# KiCad board AMC_FMC_Carrier-PcbDoc.kicad_pcb (continued)
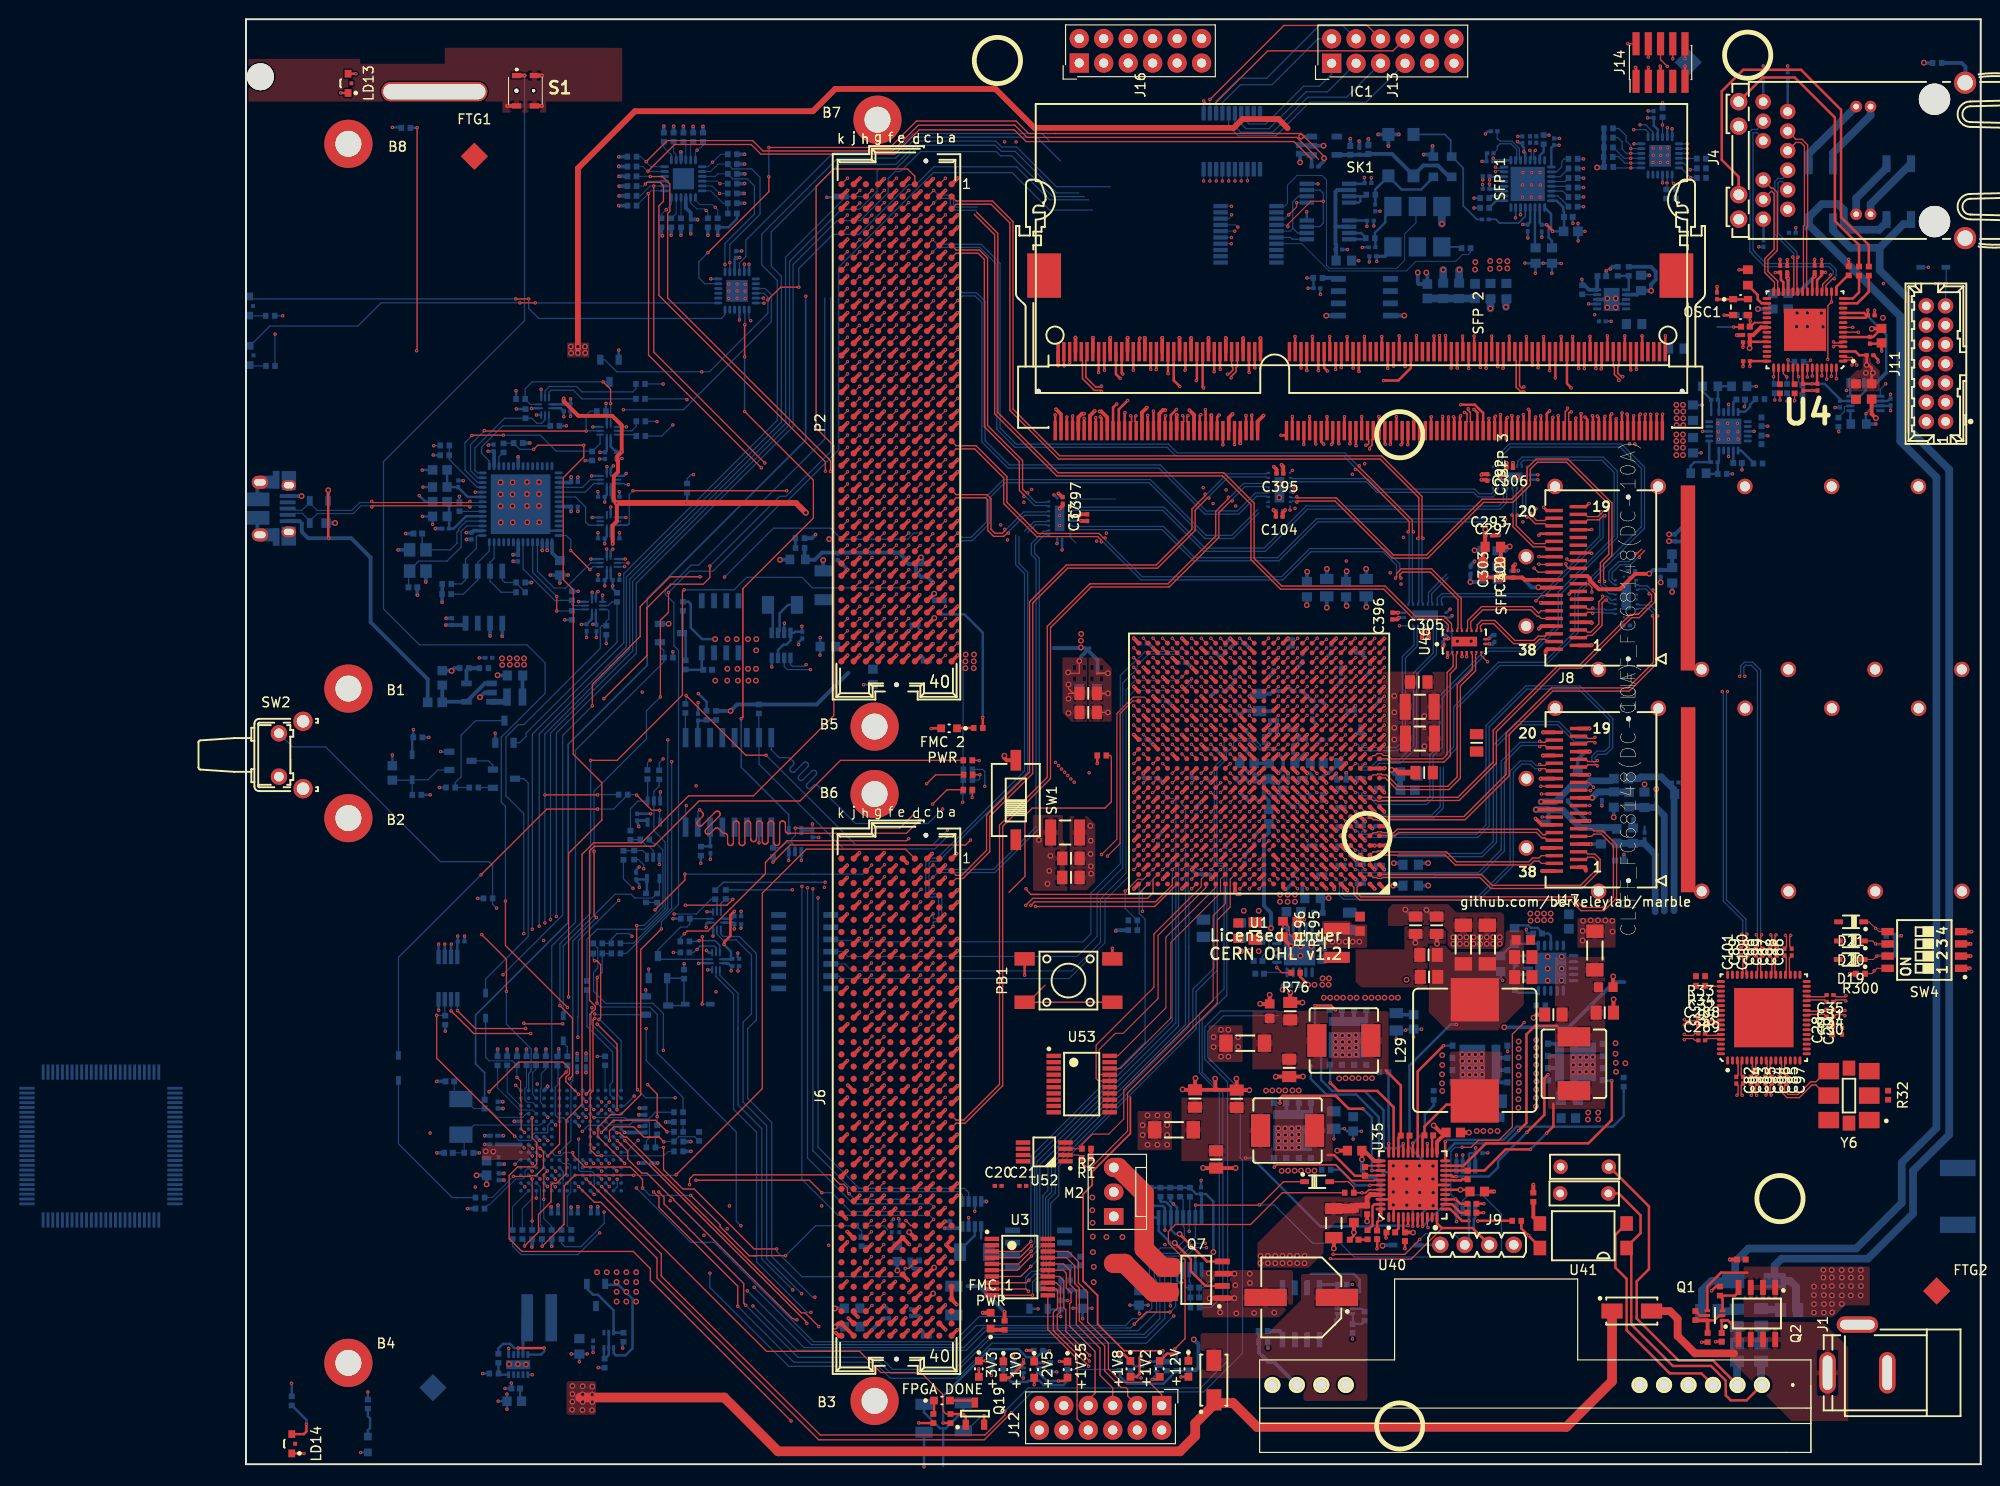
[diagram p0: board, top side]
## Placement (name value [footprint] x y rotation side) (continued)
C261  CC0201_470NF_4V_20%_X5R  [CAPC0603X33N]  109.62 83.73 270 bottom
C262  CC0201_470NF_4V_20%_X5R  [CAPC0603X33N]  93.12 75.23 0 bottom
C263  CC0201_470NF_4V_20%_X5R  [CAPC0603X33N]  111.11 79.24 180 bottom
C264  CC0201_470NF_4V_20%_X5R  [CAPC0603X33N]  111.12 71.23 0 bottom
C265  CC1210_100UF_6.3V_20%_X5R  [CAPC3225X270N]  121.78 78.63 0 top
C266  CC1210_100UF_6.3V_20%_X5R  [CAPC3225X270N]  121.81 75.33 0 top
C267  CC0201_470NF_4V_20%_X5R  [CAPC0603X33N]  110.12 69.23 180 bottom
C268  CC0805_4.7UF_10V_10%_X5R  [CAPC2012X135N]  121.35 55.94 270 bottom
C269  CC0201_470NF_4V_20%_X5R  [CAPC0603X33N]  109.12 68.23 180 bottom
C270  CC0805_4.7UF_10V_10%_X5R  [CAPC2012X135N]  123.54 55.94 270 bottom
C271  CC0201_470NF_4V_20%_X5R  [CAPC0603X33N]  104.12 74.23 0 bottom
C272  CC0805_4.7UF_10V_10%_X5R  [CAPC2012X135N]  123.54 55.95 270 top
C273  CC0201_470NF_4V_20%_X5R  [CAPC0603X33N]  103.12 71.23 180 bottom
C274  CC0805_4.7UF_10V_10%_X5R  [CAPC2012X135N]  114.53 56.35 270 bottom
C275  CC0201_470NF_4V_20%_X5R  [CAPC0603X33N]  104.12 69.23 0 bottom
C276  CC0805_4.7UF_10V_10%_X5R  [CAPC2012X135N]  121.69 81.19 0 top
C277  CC0201_470NF_4V_20%_X5R  [CAPC0603X33N]  107.12 69.23 0 bottom
C278  CC0805_4.7UF_10V_10%_X5R  [CAPC2012X135N]  121.36 55.95 270 top
C279  CC0201_470NF_4V_20%_X5R  [CAPC0603X33N]  104.12 76.23 0 bottom
C280  CC0603_22UF_6.3V_20%_X5R  [CAPC1709X100N]  114.15 90.84 90 bottom
C281  CC0603_22UF_6.3V_20%_X5R  [CAPC1709X100N]  102.97 55.38 270 top
C282  CC0603_22UF_6.3V_20%_X5R  [CAPC1709X100N]  110.08 90.84 90 bottom
C283  CC0603_22UF_6.3V_20%_X5R  [CAPC1709X100N]  103.25 55.39 270 bottom
C284  CC0805_4.7UF_10V_10%_X5R  [CAPC2012X135N]  116.23 90.99 90 bottom
C285  CC0805_4.7UF_10V_10%_X5R  [CAPC2012X135N]  105.08 55.34 270 bottom
C286  CC0805_4.7UF_10V_10%_X5R  [CAPC2012X135N]  112.14 90.99 90 bottom
C287  CC0805_4.7UF_10V_10%_X5R  [CAPC2012X135N]  104.73 55.36 270 top
C288  CC0201_100NF_6.3V_10%_X5R  [CAPC0603X33N]  151.04 45.51 0 top
C289  CC0201_100NF_6.3V_10%_X5R  [CAPC0603X33N]  151.05 43.99 0 top
C290  CC0201_100NF_6.3V_10%_X5R  [CAPC0603X33N]  143.25 87.06 180 bottom
C291  CC0201_100NF_6.3V_10%_X5R  [CAPC0603X33N]  124.23 85.68 90 bottom
C292  CC0201_100NF_6.3V_10%_X5R  [CAPC0603X33N]  128.8 102.43 270 top
C293  CC0201_100NF_6.3V_10%_X5R  [CAPC0603X33N]  128.94 96.42 0 top
C294  CC0201_100NF_6.3V_10%_X5R  [CAPC0603X33N]  127.07 92.78 90 bottom
C295  CC0201_100NF_6.3V_10%_X5R  [CAPC0603X33N]  148.28 96.18 90 bottom
C296  CC0603_22UF_6.3V_20%_X5R  [CAPC1709X100N]  128.31 94.07 90 bottom
C297  CC0603_22UF_6.3V_20%_X5R  [CAPC1709X100N]  129.37 95.23 0 top
C298  CC0603_22UF_6.3V_20%_X5R  [CAPC1709X100N]  149.44 96.59 90 bottom
C299  CC0201_100NF_6.3V_10%_X5R  [CAPC0603X33N]  146.79 92.48 270 bottom
C300  CC0201_100NF_6.3V_10%_X5R  [CAPC0603X33N]  131.51 92.4 90 top
C301  CC0201_100NF_6.3V_10%_X5R  [CAPC0603X33N]  131.3 92.38 90 bottom
C302  CC0603_22UF_6.3V_20%_X5R  [CAPC1709X100N]  147.99 92.28 270 bottom
C303  CC0603_22UF_6.3V_20%_X5R  [CAPC1709X100N]  130.21 92.87 90 top
C304  CC0603_22UF_6.3V_20%_X5R  [CAPC1709X100N]  129.86 94.02 90 bottom
C305  CC0201_100NF_6.3V_10%_X5R  [CAPC0603X33N]  122.37 85.77 0 top
C306  CC0201_100NF_6.3V_10%_X5R  [CAPC0603X33N]  131.11 103.42 180 top
C330  CC0805_47UF_6.3V_20%_X5R  [CAPC2012X140N]  135.66 46.68 180 top
C331  CC0603_4.7UF_16V_10%_X5R  [CAPC1709X95N]  137.21 35.93 0 bottom
C332  CC0201_470NF_4V_20%_X5R  [CAPC0603X33N]  116.62 82.73 270 bottom
C333  CC0201_470NF_4V_20%_X5R  [CAPC0603X33N]  104.62 64.73 270 bottom
C334  CC0201_470NF_4V_20%_X5R  [CAPC0603X33N]  112.62 84.73 270 bottom
C335  CC0201_470NF_4V_20%_X5R  [CAPC0603X33N]  103.62 62.73 90 bottom
C336  CC0201_470NF_4V_20%_X5R  [CAPC0603X33N]  113.62 81.73 270 bottom
C337  CC0201_470NF_4V_20%_X5R  [CAPC0603X33N]  111.62 61.23 0 bottom
C338  CC0201_470NF_4V_20%_X5R  [CAPC0603X33N]  117.62 79.73 270 bottom
C339  CC0201_470NF_4V_20%_X5R  [CAPC0603X33N]  110.62 64.23 0 bottom
C340  CC0805_47UF_6.3V_20%_X5R  [CAPC2012X140N]  122.76 50.59 180 top
C341  CC0805_47UF_6.3V_20%_X5R  [CAPC2012X140N]  122.7 52.87 180 top
C342  CC0201_100NF_6.3V_10%_X5R  [CAPC0603X33N]  50.84 125.58 90 bottom
C343  CC0603_4.7UF_16V_10%_X5R  [CAPC1709X95N]  92.67 17.26 270 bottom
C344  CC0603_4.7UF_16V_10%_X5R  [CAPC1709X95N]  86.79 16.93 270 bottom
C345  CC0805_47UF_6.3V_20%_X5R  [CAPC2012X140N]  132.53 50.56 0 top
C346  CC0805_47UF_6.3V_20%_X5R  [CAPC2012X140N]  102.79 37.94 90 top
C347  CC0603_4.7UF_16V_10%_X5R  [CAPC1709X95N]  106.22 47.03 90 top
C348  CC0603_4.7UF_16V_10%_X5R  [CAPC1709X95N]  141.09 49.52 0 top
C349  CC0603_4.7UF_16V_10%_X5R  [CAPC1709X95N]  132.53 54.42 0 top
C350  CAE830-1020_470UF_16V_20%  [CAPAE830X1020N]  109.5 17.31 180 top
C351  CC0201_100NF_6.3V_10%_X5R  [CAPC0603X33N]  57.73 86.07 270 bottom
C352  CC0201_100NF_6.3V_10%_X5R  [CAPC0603X33N]  157.46 126.72 270 bottom
C353  CPER_4.7NF_400V_5%_500-250X720X650  [CAPR500-250X720X650]  138.86 28.11 180 top
C354  CPER_4.7NF_400V_5%_500-250X720X650  [CAPR500-250X720X650]  138.91 30.88 180 top
C355  CC0201_100NF_6.3V_10%_X5R  [CAPC0603X33N]  36.88 96.1 180 bottom
C356  CC0201_100NF_6.3V_10%_X5R  [CAPC0603X33N]  38.4 96.1 0 bottom
C358  CC0201_100NF_6.3V_10%_X5R  [CAPC0603X33N]  40.59 67.17 90 bottom
C359  CC0201_100NF_6.3V_10%_X5R  [CAPC0603X33N]  40.48 61.05 90 bottom
C360  CC0603_4.7UF_16V_10%_X5R  [CAPC1709X95N]  15.19 71.76 90 bottom
C361  CC0603_4.7UF_16V_10%_X5R  [CAPC1709X95N]  125.27 34.43 0 top
C362  CC0402_100NF_16V_10%_X5R  [CAPC1005X55N]  117.37 23.82 270 top
C363  CC0402_100NF_16V_10%_X5R  [CAPC1005X55N]  114.98 23.31 180 top
C374  CC0402_100PF_50V_5%_C0G  [CAPC1005X55N]  155.58 118.09 180 top
C375  CC0402_100PF_50V_5%_C0G  [CAPC1005X55N]  155.13 119.26 180 bottom
C380  CC0201_470NF_4V_20%_X5R  [CAPC0603X33N]  115.62 71.23 180 bottom
C381  CC0201_470NF_4V_20%_X5R  [CAPC0603X33N]  113.62 70.23 0 bottom
C382  CC0402_1UF_16V_10%_X5R  [CAPC1005X55N]  142.52 62.68 0 bottom
C383  CC0402_1UF_16V_10%_X5R  [CAPC1005X55N]  111.28 57.24 0 bottom
C384  CC0603_22UF_6.3V_20%_X5R  [CAPC1709X100N]  112.57 72.79 0 bottom
C385  CC0603_22UF_6.3V_20%_X5R  [CAPC1709X100N]  109.63 72.81 180 bottom
C386  CC0805_4.7UF_10V_10%_X5R  [CAPC2012X135N]  99.35 55.63 270 bottom
C387  CC0201_470NF_4V_20%_X5R  [CAPC0603X33N]  100.12 84.23 0 bottom
C388  CC0201_470NF_4V_20%_X5R  [CAPC0603X33N]  101.64 84.74 270 bottom
C389  CC0201_470NF_4V_20%_X5R  [CAPC0603X33N]  102.62 81.73 270 bottom
C390  CC0201_470NF_4V_20%_X5R  [CAPC0603X33N]  102.27 78.23 0 bottom
C391  CC0201_470NF_4V_20%_X5R  [CAPC0603X33N]  115.62 76.23 270 bottom
C392  CC0201_470NF_4V_20%_X5R  [CAPC0603X33N]  108.62 60.73 90 bottom
C393  CC0402_1NF_50V_10%_X7R  [CAPC1005X55N]  131.74 52.31 270 bottom
C394  CC0402_1NF_50V_10%_X7R  [CAPC1005X55N]  105.02 52.25 180 bottom
C395  CC0201_100NF_6.3V_10%_X5R  [CAPC0603X33N]  107.29 102.84 180 top
C396  CC0201_100NF_6.3V_10%_X5R  [CAPC0603X33N]  118.95 88.05 90 top
C397  CC0201_100NF_6.3V_10%_X5R  [CAPC0603X33N]  84.74 100.05 270 top
C398  CC0201_100NF_6.3V_10%_X5R  [CAPC0603X33N]  146.32 68.97 90 bottom
C399  CC0201_100NF_6.3V_10%_X5R  [CAPC0603X33N]  148.29 70.76 0 bottom
C400  CC0201_100NF_6.3V_10%_X5R  [CAPC0603X33N]  145.12 65.21 90 bottom
C401  CC0603_22UF_6.3V_20%_X5R  [CAPC1709X100N]  145.1 68.97 90 bottom
C402  CC0603_22UF_6.3V_20%_X5R  [CAPC1709X100N]  149.05 69.57 0 bottom
C403  CC0603_22UF_6.3V_20%_X5R  [CAPC1709X100N]  143.92 65.25 90 bottom
C404  CC0201_100NF_6.3V_10%_X5R  [CAPC0603X33N]  140.68 69.3 270 bottom
C405  CC0201_100NF_6.3V_10%_X5R  [CAPC0603X33N]  136.82 68.91 0 bottom
C406  CC0201_100NF_6.3V_10%_X5R  [CAPC0603X33N]  135.16 67.09 270 bottom
C407  CC0603_22UF_6.3V_20%_X5R  [CAPC1709X100N]  141.93 69 270 bottom
C408  CC0603_22UF_6.3V_20%_X5R  [CAPC1709X100N]  138.18 71.12 90 bottom
C409  CC0603_22UF_6.3V_20%_X5R  [CAPC1709X100N]  140.59 65.19 270 bottom
D2  BAT165  [SOD2512X110N]  111.15 29.33 0 top
D3  BAT165  [SOD2512X110N]  24.86 47.62 270 bottom
D4  SS16  [DIOM5127X229N]  143.79 15.9 0 top
D5  BAT165  [SOD2512X110N]  120.32 22.75 0 bottom
D6  MB210S-TP  [SOIC254P665X290-4N]  163.41 131.88 270 bottom
D7  MB210S-TP  [SOIC254P665X290-4N]  171.49 132.11 270 bottom
D8  SMAJ58A  [DIOM5226X262N]  156.46 19.04 180 bottom
D12  SS16  [DIOM5127X229N]  100.43 8.73 90 top
D13  PRTR5V0U2X  [SOT190P230X110-4N]  7.57 98.85 90 bottom
D14  BAT165  [SOD2512X110N]  46.89 47.76 180 bottom
D15  BAT165  [SOD2512X110N]  175.08 124.25 180 bottom
D16  BAT165  [SOD2512X110N]  17.24 72.36 270 bottom
D17  BAT165  [SOD2512X110N]  15.82 41.14 270 bottom
D18  BAT165  [SOD2512X110N]  32.92 45.25 270 bottom
D19  BAT165  [SOD2512X110N]  166.5 52.39 180 top
D20  BAT165  [SOD2512X110N]  166.53 54.32 180 top
D21  BAT165  [SOD2512X110N]  166.55 56.3 180 top
FTG1  FIDUCIAL_TARGET_C100-200  [FIDUCIAL_TOP_S200-400]  23.7 135.78 0 top
FTG2  FIDUCIAL_TARGET_C100-200  [FIDUCIAL_TOP_S200-400]  175.42 17.98 0 top
FTG3  FIDUCIAL_TARGET_C100-200  [FIDUCIAL_BOT_S200-400]  19.4 7.94 0 top
FTG4  Pads:FIDUCIAL_BOT_S200-400  [FIDUCIAL_BOT_S200-400]  149.65 145.54 0 top
IC1  MT8JTF12864HZ-1G6G1  [SODIMM60P6760X3000X380-204]  115.75 110.4 0 top
J1  -  [CLIFF_FC68148(DC-10A)]  170.3 9.49 90 top
J1#2  CLIFF_FC68148(DC-10A)  [QSFPK-PF-02]  143.45 68.97 90 top
J1#3  CLIFF_FC68148(DC-10A)  [QSFPK-PF-02]  143.43 92 90 top
J4  BELFUSE_0826-1X1T-HS-F  [BELFUSE_0826-1X1T-80-F]  158.7 135.35 270 top
J6  -  [SAMTEC_ASP-134486-01]  67.5 38.1 90 top
J8  -  [SAMTEC_QSFP8-038-01-L-D-RA1]  136.99 92 180 top
J9  2057-PH1-04-UA-ND  [SAMTEC_MTLW-104-07-L-S-250]  123.92 22.77 0 top
J10  10103594-0001LF  [USB_Micro-B_Amphenol_10103594-0001LF_Horizontal]  2.56 99.23 90 bottom
J11  -  [MOLEX_87831-1420]  175.35 114.24 90 top
J12  PPTC062LJBN-RC  [SDL-112-X-XX_2x06]  95.02 6.09 270 top
J13  PPTC062LJBN-RC  [SDL-112-X-XX_2x06]  112.65 145.43 90 top
J14  GRPB052VWQP-RC  [PinHeader_2x05_P1.27mm_Vertical_SMD]  146.78 145.51 90 top
J16  PPTC062LJBN-RC  [SDL-112-X-XX_2x06]  86.46 145.46 90 top
J17  -  [SAMTEC_QSFP8-038-01-L-D-RA1]  137.01 68.97 180 top
L1  IND0603_MURATA_BLM18SG121TN1D  [INDC1608X65N]  148.71 94.48 180 bottom
L2  IND0603_MURATA_BLM18SG121TN1D  [INDC1608X65N]  128.37 92.89 270 top
L3  IND0603_MURATA_BLM18SG121TN1D  [INDC1608X95N]  167.05 111.35 90 top
L4  IND0603_MURATA_BLM18SG121TN1D  [INDC1608X95N]  158.43 120.72 90 bottom
L5  IND0603_MURATA_BLM18SG121TN1D  [INDC1608X65N]  129.11 91.89 0 bottom
L9  IND0603_MURATA_BLM18SG121TN1D  [INDC1608X65N]  24.97 30.75 90 bottom
L10  IND0603_MURATA_BLM18SG121TN1D  [INDC1608X65N]  19.61 79.09 0 bottom
L11  IND0603_MURATA_BLM18SG121TN1D  [INDC1608X65N]  122.58 121.76 270 bottom
L12  IND0603_MURATA_BLM18SG121TN1D  [INDC1608X65N]  127.53 121.78 90 bottom
L13  IND_10UH_20%_TDK_VLCF5020-1  [IND_TDK_VLCF5020-1]  30.43 15.21 0 bottom
L14  IND1806_MURATA_BLM41PG600SN1L  [INDC4516X180N]  128.8 53.94 90 top
L15  IND0603_MURATA_BLM18SG121TN1D  [INDC1608X65N]  120.54 69.97 180 bottom
L16  IND0603_MURATA_BLM18SG121TN1D  [INDC1608X65N]  137.27 56.33 90 bottom
L17  IND_2.2UH_20%_BOURNS_SRP6540  [IND_BOURNS_SRP6540]  108.07 34.64 180 top
L18  IND_2.2UH_20%_BOURNS_SRP6540  [IND_BOURNS_SRP6540]  113.92 43.98 180 top
L20  IND_2.2UH_20%_BOURNS_SRP6540  [IND_BOURNS_SRP6540]  137.79 41.57 90 top
L21  IND1806_MURATA_BLM41PG600SN1L  [INDC4516X180N]  96.29 34.71 180 top
L22  IND1806_MURATA_BLM41PG600SN1L  [INDC4516X180N]  103.68 43.7 180 top
L23  IND_2.2UH_20%_WURTH_WE-PMCI_74479276222C  [IND_WURTH_WE-PMCI_0806LR]  27.89 79.64 0 bottom
L24  IND0603_MURATA_BLM18SG121TN1D  [INDC1608X65N]  20.11 99.91 0 bottom
L25  IND0603_MURATA_BLM18SG121TN1D  [INDC1608X65N]  20.11 103.22 0 bottom
L26  IND0603_MURATA_BLM18SG121TN1D  [INDC1608X65N]  137.47 127.98 0 bottom
L27  IND0603_MURATA_BLM18SG121TN1D  [INDC1608X65N]  106.12 67.22 90 bottom
L28  IND0603_MURATA_BLM18SG121TN1D  [INDC1608X65N]  103.86 72.76 0 bottom
L29  IND_1.3UH_20%_WURTH_WE-HCI_7443551130  [IND_WURTH_WE-HCI_1365]  127.51 42.97 90 top
L30  IND0603_MURATA_BLM18SG121TN1D  [INDC1608X65N]  143.52 69 90 bottom
L31  IND1806_MURATA_BLM41PG600SN1L  [INDC4516X180N]  139.96 53.33 90 top
L32  IND1806_MURATA_BLM41PG600SN1L  [INDC4516X180N]  126.31 53.94 90 top
L33  IND0603_MURATA_BLM18SG121TN1D  [INDC1608X65N]  115.6 56.1 270 top
L34  IND0603_MURATA_BLM18SG121TN1D  [INDC1608X65N]  108.71 57.34 180 bottom
L35  1k@100MHz  [INDC2012X145N]  160.14 15.99 180 bottom
L36  1k@100MHz  [INDC2012X145N]  151.84 15.92 0 bottom
L37  1k@100MHz  [INDC2012X145N]  157.22 15.23 270 bottom
L38  1k@100MHz  [INDC2012X145N]  154.68 15.21 270 bottom
L39  1k@100MHz  [INDC2012X145N]  157.22 11.6 270 bottom
L40  1k@100MHz  [INDC2012X145N]  154.71 11.6 270 bottom
L43  IND0603_MURATA_BLM18SG121TN1D  [INDC1608X65N]  142.69 71.17 180 bottom
L44  IND0603_MURATA_BLM18SG121TN1D  [INDC1608X65N]  142.23 65.2 90 bottom
LD1  -  [LED_KINGBRIGHT_KPH-1608CGCK]  77.26 14.9 90 top
LD2  -  [LED_KINGBRIGHT_KPH-1608CGCK]  72.96 76.39 180 top
LD3  -  [LED_KINGBRIGHT_KPH-1608CGCK]  72.22 6.61 0 top
LD4  -  [LED_KINGBRIGHT_KPH-1608CGCK]  76.04 9.9 270 top
LD5  -  [LED_KINGBRIGHT_KPH-1608CGCK]  78.58 9.82 270 top
LD6  -  [LED_KINGBRIGHT_KPH-1608CGCK]  81.79 9.82 270 top
LD7  -  [LED_KINGBRIGHT_KPH-1608CGCK]  85.24 9.82 270 top
LD8  -  [LED_KINGBRIGHT_KPH-1608CGCK]  91.77 9.9 270 top
LD9  -  [LED_KINGBRIGHT_KPH-1608CGCK]  94.82 9.9 270 top
LD10  -  [LED_KINGBRIGHT_KPH-1608CGCK]  97.79 9.9 270 top
LD11  -  [LED_AVAGO_HSMC-C120]  0.43 115.1 270 bottom
LD12  -  [LED_AVAGO_HSMC-C120]  0.38 120.23 270 bottom
LD13  -  [LED_AVAGO_HSMC-C120]  10.59 143.35 90 top
LD14  -  [LED_AVAGO_HSMC-C120]  4.75 2.12 90 top
LD15  -  [LED_KINGBRIGHT_KPH-1608CGCK]  12.65 2.05 270 bottom
M2  Fan_3pin  [Fan_Pin_Header_Straight_1x03]  90.04 25.72 180 top
OSC1  25MHz  [OSC_MICREL_2520]  155.08 120.12 0 top
P2  -  [SAMTEC_ASP-134486-01]  67.5 108.11 90 top
PB1  -  [PB_TYCO_FSM2JSMA]  85.34 50.21 90 top
Q1  BC857BV  [SOTFL50P160X60-6N]  152.42 15.43 180 top
Q2  SI4425DDY-T1-GE3  [SOIC127P600X175-8N]  156.77 15.65 270 top
Q4  SI4425DDY-T1-GE3  [SOIC127P600X175-8N]  109.47 15.61 270 bottom
Q5  BSS139  [SOT95P240X110-3N]  42.66 47.62 0 bottom
Q6  BSS139  [SOT95P240X110-3N]  37.72 113.5 270 bottom
Q7  STS8DN6LF6AG  [SOIC127P600X175-8N]  98.6 19.14 180 top
Q8  BSS138LT1G  [SOT95P240X110-3N]  82.24 17.29 90 bottom
Q9  BSS138LT1G  [SOT95P240X110-3N]  44.09 86.27 0 bottom
Q10  FDMS7608S  [FAIRCHILD_MLP08P]  108.58 34.64 270 bottom
Q11  FDMS7608S  [FAIRCHILD_MLP08P]  114.35 44.31 270 bottom
Q12  FDMS7608S  [FAIRCHILD_MLP08P]  128.04 41.54 180 bottom
Q13  FDMS7608S  [FAIRCHILD_MLP08P]  137.94 41.75 0 bottom
Q14  BSS139  [SOT95P240X110-3N]  26.77 71.16 0 bottom
Q15  BC857BV  [SOTFL50P160X60-6N]  37.64 12.87 270 bottom
Q16  SI4425DDY-T1-GE3  [SOIC127P600X175-8N]  82.24 22.37 180 bottom
Q17  BSS139  [SOT95P240X110-3N]  42.75 51.6 90 bottom
Q18  BSS139  [SOT95P240X110-3N]  22.25 73.02 0 bottom
Q19  BSS139  [SOT95P240X110-3N]  75.64 5.25 90 top
Q22  BC857BV  [SOTFL50P160X60-6N]  114.04 16.12 0 bottom
Q23  SI4425DDY-T1-GE3  [SOIC127P600X175-8N]  49.2 86.93 90 bottom
Q24  BSS139  [SOT95P240X110-3N]  26.82 76.04 90 bottom
Q25  Si2315BDS-T1-E3  [SOT95P237X112-3N]  36.32 17.57 270 bottom
Q26  BC847BV  [SOTFL50P160X60-6N]  81.43 10 180 bottom
Q27  BC847BV  [SOTFL50P160X60-6N]  93.7 10.15 180 bottom
R1  R0402_2K2_1%_0.0625W_100PPM  [RESC1005X40N]  87.2 31.77 180 top
R2  R0402_2K2_1%_0.0625W_100PPM  [RESC1005X40N]  87.21 32.76 180 top
R29  R0402_10K_1%_0.0625W_100PPM  [RESC1005X40N]  138.65 121.93 270 bottom
R30  R0402_10K_1%_0.0625W_100PPM  [RESC1005X40N]  142.33 123.83 90 bottom
R31  R0402_10K_1%_0.0625W_100PPM  [RESC1005X40N]  143.48 123.83 90 bottom
R32  R0402_10K_1%_0.0625W_100PPM  [RESC1005X40N]  170.39 38.31 270 top
R33  R0402_0R_JUMPER  [RESC1005X40N]  150.93 50.66 180 top
R34  R0402_0R_JUMPER  [RESC1005X40N]  150.93 49.66 180 top
R35  R0402_4K7_1%_0.0625W_100PPM  [RESC1005X40N]  141.37 138.67 0 bottom
R36  R0402_4K7_1%_0.0625W_100PPM  [RESC1005X40N]  141.37 137.71 0 bottom
R37  R0402_4K7_1%_0.0625W_100PPM  [RESC1005X40N]  141.37 136.69 180 bottom
R38  R0402_4K7_1%_0.0625W_100PPM  [RESC1005X40N]  141.35 135.7 180 bottom
R39  R0402_2K2_1%_0.0625W_100PPM  [RESC1005X40N]  48.94 128.87 90 bottom
R40  R0402_2K2_1%_0.0625W_100PPM  [RESC1005X40N]  47.93 128.87 90 bottom
R41  R0402_2K2_1%_0.0625W_100PPM  [RESC1005X40N]  43.1 128.87 90 bottom
R42  R0402_0R_JUMPER  [RESC1005X40N]  50.47 130.9 0 bottom
R43  R0402_0R_JUMPER  [RESC1005X40N]  44.12 128.87 270 bottom
R44  R0402_0R_JUMPER  [RESC1005X40N]  45.13 128.87 270 bottom
R45  R0402_2K2_1%_0.0625W_100PPM  [RESC1005X40N]  40.05 131.66 180 bottom
R46  R0402_2K2_1%_0.0625W_100PPM  [RESC1005X40N]  40.05 130.65 180 bottom
R47  R0402_2K2_1%_0.0625W_100PPM  [RESC1005X40N]  40.05 133.7 180 bottom
R48  R0402_2K2_1%_0.0625W_100PPM  [RESC1005X40N]  40.05 132.68 180 bottom
R49  R0402_2K2_1%_0.0625W_100PPM  [RESC1005X40N]  40.05 135.73 180 bottom
R50  R0402_2K2_1%_0.0625W_100PPM  [RESC1005X40N]  40.05 134.71 180 bottom
R51  R0402_2K2_1%_0.0625W_100PPM  [RESC1005X40N]  44.37 137.76 90 bottom
R52  R0402_2K2_1%_0.0625W_100PPM  [RESC1005X40N]  43.35 137.76 90 bottom
R53  R0402_2K2_1%_0.0625W_100PPM  [RESC1005X40N]  46.4 137.76 90 bottom
R54  R0402_2K2_1%_0.0625W_100PPM  [RESC1005X40N]  45.39 137.76 90 bottom
R55  R0402_2K2_1%_0.0625W_100PPM  [RESC1005X40N]  50.47 135.98 0 bottom
R56  R0402_2K2_1%_0.0625W_100PPM  [RESC1005X40N]  47.42 137.76 90 bottom
R57  R0402_2K2_1%_0.0625W_100PPM  [RESC1005X40N]  50.47 133.95 0 bottom
R58  R0402_240R_1%_0.0625W_100PPM  [RESC1005X40N]  111.22 123.15 180 bottom
R59  R0201_100R_1%_0.05W_200PPM  [RESC0603X28N]  133.24 137.52 270 bottom
R60  R0201_100R_1%_0.05W_200PPM  [RESC0603X28N]  133.89 137.51 270 bottom
R61  R0201_100R_1%_0.05W_200PPM  [RESC0603X28N]  129.11 136.09 0 bottom
R62  R0603_4K99_1%_0.063W_50PPM  [RESC1608X55N]  167.32 107.98 0 bottom
R63  R0402_10K_1%_0.0625W_100PPM  [RESC1005X40N]  42.67 58.77 90 bottom
R64  R0603_4K99_1%_0.063W_50PPM  [RESC1608X55N]  167.3 112.24 0 bottom
R65  R0402_0R_JUMPER  [RESC1005X40N]  166.3 123.88 270 top
R66  R0603_4K99_1%_0.063W_50PPM  [RESC1608X55N]  155.84 123.2 270 top
R67  R0402_240R_1%_0.0625W_100PPM  [RESC1005X40N]  167.37 123.86 270 top
R68  R0603_10K2_0.1%_0.063W_10PPM  [RESC1608X55N]  151.92 111.9 0 bottom
R69  R0603_6K98_0.1%_0.063W_10PPM  [RESC1608X55N]  154.95 111.9 0 bottom
R70  R0603_15K_0.1%_0.063W_10PPM  [RESC1608X55N]  150.7 102.88 0 bottom
R71  R0402_10K_0.1%_0.063W_25PPM  [RESC1005X35N]  153.18 102.81 0 bottom
R72  R0402_0R_JUMPER  [RESC1005X40N]  157.09 110.57 180 bottom
R73  R0402_0R_JUMPER  [RESC1005X40N]  156.89 103.88 180 bottom
R74  R0402_0R_JUMPER  [RESC1005X40N]  134.35 47.62 180 bottom
R75  R0402_2K2_1%_0.0625W_100PPM  [RESC1005X40N]  50.47 134.97 0 bottom
R76  R0402_0R_JUMPER  [RESC1005X40N]  108.92 51.02 180 top
R77  R0402_4K7_1%_0.0625W_100PPM  [RESC1005X40N]  141.39 134.67 180 bottom
R78  R0603_10R_1%_0.1W_200PPM  [RESC1608X55N]  57.24 93.92 180 bottom
R79  R0603_10R_1%_0.1W_200PPM  [RESC1608X55N]  67.57 21.86 270 bottom
R83  R0402_2K2_1%_0.0625W_100PPM  [RESC1005X40N]  50.47 131.92 0 bottom
R91  R0402_2K2_1%_0.0625W_100PPM  [RESC1005X40N]  50.47 132.93 0 bottom
R92  R0402_240R_1%_0.0625W_100PPM  [RESC1005X40N]  116.66 127.27 180 bottom
R93  R0402_240R_1%_0.0625W_100PPM  [RESC1005X40N]  116.72 131.79 180 bottom
R94  R0402_0R_JUMPER  [RESC1005X40N]  134.65 137.51 270 bottom
R95  R0402_0R_JUMPER  [RESC1005X40N]  137.7 133.52 180 bottom
R96  R0402_0R_JUMPER  [RESC1005X40N]  128.53 130.42 0 bottom
R97  R0402_0R_JUMPER  [RESC1005X40N]  128.53 131.44 0 bottom
R98  R0402_0R_JUMPER  [RESC1005X40N]  137.7 132.53 180 bottom
R99  R0402_0R_JUMPER  [RESC1005X40N]  137.7 131.54 180 bottom
R100  R0402_0R_JUMPER  [RESC1005X40N]  137.7 130.55 180 bottom
R101  R0402_0R_JUMPER  [RESC1005X40N]  137.7 135.5 180 bottom
R102  R0402_0R_JUMPER  [RESC1005X40N]  137.7 134.51 180 bottom
R103  R0402_100R_1%_0.1W_100PPM  [RESC1005X40N]  126.6 126.23 0 bottom
R104  R0402_47K_1%_0.0625W_100PPM  [RESC1005X40N]  151.66 13.15 270 top
R107  R0402_1K_1%_0.0625W_100PPM  [RESC1005X40N]  150.39 15.43 90 top
R108  R0402_82K_1%_0.0625W_100PPM  [RESC1005X40N]  152.93 17.97 90 top
R109  R0402_270K_1%_0.0625W_100PPM  [RESC1005X40N]  26.18 10.99 270 bottom
R110  R0402_82K_1%_0.0625W_100PPM  [RESC1005X40N]  25.73 9.41 180 bottom
R112  R0402_2K2_1%_0.0625W_100PPM  [RESC1005X40N]  20.62 105.76 0 bottom
R113  R0402_10K_1%_0.0625W_100PPM  [RESC1005X40N]  28.5 91.53 180 bottom
R114  R0402_2K2_1%_0.0625W_100PPM  [RESC1005X40N]  28.5 90.52 180 bottom
R115  R0402_10K_1%_0.0625W_100PPM  [RESC1005X40N]  20.81 90.33 0 bottom
R116  R0402_10K_1%_0.0625W_100PPM  [RESC1005X40N]  20.62 104.74 180 bottom
R117  R0402_10K_1%_0.0625W_100PPM  [RESC1005X40N]  20.83 91.38 0 bottom
R118  R0402_10K_1%_0.0625W_100PPM  [RESC1005X40N]  24.69 82.64 180 bottom
R119  R0402_2K2_1%_0.0625W_100PPM  [RESC1005X40N]  22.65 82.64 180 bottom
R120  R0402_12K_1%_0.0625W_100PPM  [RESC1005X40N]  22.15 99.41 270 bottom
R121  R0402_10K_1%_0.0625W_100PPM  [RESC1005X40N]  33.82 88.12 90 bottom
R122  R0402_10K_1%_0.0625W_100PPM  [RESC1005X40N]  35.91 104.66 90 bottom
R123  R0402_10K_1%_0.0625W_100PPM  [RESC1005X40N]  33.82 90.15 270 bottom
R124  R0402_10K_1%_0.0625W_100PPM  [RESC1005X40N]  36.88 109.31 180 bottom
R125  R0402_10K_1%_0.0625W_100PPM  [RESC1005X40N]  29 109.06 270 bottom
R126  R0402_10K_1%_0.0625W_100PPM  [RESC1005X40N]  32.05 107.79 180 bottom
R127  R0402_10K_1%_0.0625W_100PPM  [RESC1005X40N]  28.24 106.01 0 bottom
R128  R0402_47K_1%_0.0625W_100PPM  [RESC1005X40N]  37.39 86.58 90 bottom
R129  R0402_0R_JUMPER  [RESC1005X40N]  98.47 16.27 180 bottom
R130  R0402_10K_1%_0.0625W_100PPM  [RESC1005X40N]  97.94 28.24 270 bottom
R131  R0402_10K_1%_0.0625W_100PPM  [RESC1005X40N]  45.59 56.63 0 bottom
R132  R0402_0R_JUMPER  [RESC1005X40N]  23.11 32.32 0 bottom
R133  R0402_2K2_1%_0.0625W_100PPM  [RESC1005X40N]  27.1 41.88 270 bottom
R134  R0402_2K2_1%_0.0625W_100PPM  [RESC1005X40N]  26.11 41.88 270 bottom
R135  R0402_0R_JUMPER  [RESC1005X40N]  44.88 36.54 180 bottom
R136  R0402_0R_JUMPER  [RESC1005X40N]  37.26 41.88 270 bottom
R137  R0402_10K_1%_0.0625W_100PPM  [RESC1005X40N]  24.28 26.53 180 bottom
R138  R0402_10K_1%_0.0625W_100PPM  [RESC1005X40N]  28.11 41.88 90 bottom
R139  R0402_10K_1%_0.0625W_100PPM  [RESC1005X40N]  31.72 23.84 270 bottom
R140  R0402_10K_1%_0.0625W_100PPM  [RESC1005X40N]  29.69 23.84 270 bottom
R142  R0402_10K_1%_0.0625W_100PPM  [RESC1005X40N]  44.88 33.49 0 bottom
R143  R0402_10K_1%_0.0625W_100PPM  [RESC1005X40N]  44.88 32.48 180 bottom
R144  R0402_10K_1%_0.0625W_100PPM  [RESC1005X40N]  31.11 41.88 90 bottom
R145  R0402_10K_1%_0.0625W_100PPM  [RESC1005X40N]  44.88 35.53 0 bottom
R146  R0402_10K_1%_0.0625W_100PPM  [RESC1005X40N]  30.1 41.88 90 bottom
R147  R0402_10K_1%_0.0625W_100PPM  [RESC1005X40N]  29.11 41.88 90 bottom
R148  R0402_100R_1%_0.1W_100PPM  [RESC1005X40N]  32.74 23.84 90 bottom
R149  R0402_100R_1%_0.1W_100PPM  [RESC1005X40N]  33.75 23.84 90 bottom
R150  R0402_100R_1%_0.1W_100PPM  [RESC1005X40N]  27.66 23.84 90 bottom
R151  R0402_100R_1%_0.1W_100PPM  [RESC1005X40N]  33.35 41.88 270 bottom
R152  R0402_100R_1%_0.1W_100PPM  [RESC1005X40N]  24.28 27.68 0 bottom
R153  R0402_100R_1%_0.1W_100PPM  [RESC1005X40N]  30.71 23.84 90 bottom
R154  R0402_100R_1%_0.1W_100PPM  [RESC1005X40N]  28.67 23.84 90 bottom
R155  R0402_100R_1%_0.1W_100PPM  [RESC1005X40N]  44.88 34.51 180 bottom
R156  R0402_240R_1%_0.0625W_100PPM  [RESC1005X40N]  168.39 123.86 270 top
R157  R0402_10K_1%_0.0625W_100PPM  [RESC1005X40N]  127.21 26.11 180 top
R158  R0402_10K_1%_0.0625W_100PPM  [RESC1005X40N]  32.31 41.85 90 bottom
R159  R0402_0R_JUMPER  [RESC1005X40N]  47.01 34.03 270 bottom
R160  R0402_2K2_1%_0.0625W_100PPM  [RESC1005X40N]  88.8 73.57 0 top
R161  R0402_100R_1%_0.1W_100PPM  [RESC1005X40N]  113.69 71.06 0 bottom
R162  R0402_300R_1%_0.0625W_100PPM  [RESC1005X40N]  73.1 4.74 90 top
R163  R0402_1K_1%_0.0625W_100PPM  [RESC1005X40N]  71.32 4.74 90 top
R165  R0402_0R_JUMPER  [RESC1005X40N]  175.48 145.47 0 bottom
R166  R0402_10K_1%_0.0625W_100PPM  [RESC1005X40N]  45.77 101.34 90 bottom
R167  R0402_10K_1%_0.0625W_100PPM  [RESC1005X40N]  127.21 27.03 180 top
R168  R0603_2K49_0.1%_0.063W_10PPM  [RESC1608X55N]  131.63 54.83 270 bottom
R169  R0201_100R_1%_0.05W_200PPM  [RESC0603X28N]  129.51 138.37 0 bottom
R171  R0402_10K_1%_0.0625W_100PPM  [RESC1005X40N]  37.21 10.48 270 bottom
R172  R0402_10K_1%_0.0625W_100PPM  [RESC1005X40N]  95.91 17.82 90 bottom
R173  R0402_10K_1%_0.0625W_100PPM  [RESC1005X40N]  96.92 28.24 270 bottom
R174  R0402_10K_1%_0.0625W_100PPM  [RESC1005X40N]  92.86 28.24 270 bottom
R175  R0402_10K_1%_0.0625W_100PPM  [RESC1005X40N]  93.88 28.24 270 bottom
R176  R0402_10K_1%_0.0625W_100PPM  [RESC1005X40N]  94.89 28.24 270 bottom
R177  R0402_10K_1%_0.0625W_100PPM  [RESC1005X40N]  95.91 28.24 270 bottom
R178  R0402_10K_1%_0.0625W_100PPM  [RESC1005X40N]  20.67 46.09 90 bottom
R179  R0402_1K_1%_0.0625W_100PPM  [RESC1005X40N]  131.85 25.27 0 top
R180  R0402_47K_1%_0.0625W_100PPM  [RESC1005X40N]  39.16 13.17 270 bottom
R181  R0402_47K_1%_0.0625W_100PPM  [RESC1005X40N]  114.8 14.09 270 bottom
R182  R1206_0R02_1%_0.5W_100PPM  [RESC3216X80N]  75.59 22.01 180 bottom
R183  R1206_0R02_1%_0.5W_100PPM  [RESC3216X80N]  55.66 89.21 0 bottom
R184  R0402_1K_1%_0.0625W_100PPM  [RESC1005X40N]  116.07 15.36 90 bottom
R188  R0402_10K_1%_0.0625W_100PPM  [RESC1005X40N]  84.53 16.53 90 bottom
R189  R0603_4K99_0.1%_0.063W_10PPM  [RESC1608X55N]  130.2 51.96 270 bottom
R190  R0402_0R_JUMPER  [RESC1005X40N]  112.09 30.57 0 bottom
R191  R0402_0R_JUMPER  [RESC1005X40N]  118.08 40.68 0 bottom
R192  R0402_0R_JUMPER  [RESC1005X40N]  123.24 38.29 270 bottom
R193  R0402_0R_JUMPER  [RESC1005X40N]  116.38 23.82 90 top
R194  R0402_0R_JUMPER  [RESC1005X40N]  142.95 39.67 270 bottom
R195  R0603_1K37_0.1%_0.063W_10PPM  [RESC1608X55N]  109.09 55.57 270 top
R196  R0603_4K42_0.1%_0.063W_10PPM  [RESC1608X55N]  107.6 55.57 270 top
R197  R0402_0R_JUMPER  [RESC1005X40N]  105.53 13.83 180 bottom
R198  R0402_0R_JUMPER  [RESC1005X40N]  105.56 12.69 0 bottom
R199  R0402_2K2_1%_0.0625W_100PPM  [RESC1005X40N]  146.98 140.32 270 bottom
R200  R0402_0R_JUMPER  [RESC1005X40N]  26.72 105.5 270 bottom
R201  R0402_10K_1%_0.0625W_100PPM  [RESC1005X40N]  43.84 83.73 0 bottom
R202  R0402_10K_1%_0.0625W_100PPM  [RESC1005X40N]  85.04 18.02 180 bottom
R203  R0402_10K_1%_0.0625W_100PPM  [RESC1005X40N]  45.34 89.07 270 bottom
R204  R0402_10K_1%_0.0625W_100PPM  [RESC1005X40N]  28.5 110.58 0 bottom
R205  R0402_10K_1%_0.0625W_100PPM  [RESC1005X40N]  61.8 131.6 0 bottom
R209  R0402_0R_JUMPER  [RESC1005X40N]  54.68 63.52 90 bottom
R210  R0402_0R_JUMPER  [RESC1005X40N]  45.59 78.45 270 bottom
R212  R0402_82K_1%_0.0625W_100PPM  [RESC1005X40N]  113.79 18.66 0 bottom
R213  R0402_10K_1%_0.0625W_100PPM  [RESC1005X40N]  85.04 19.07 0 bottom
R214  R0402_10K_1%_0.0625W_100PPM  [RESC1005X40N]  45.62 82.97 270 bottom
R215  R0402_0R_JUMPER  [RESC1005X40N]  48.69 59.12 270 bottom
R216  R0402_0R_JUMPER  [RESC1005X40N]  45.54 53.13 0 bottom
R221  R0402_2K2_1%_0.0625W_100PPM  [RESC1005X40N]  92.02 56.46 0 bottom
R222  R0402_2K2_1%_0.0625W_100PPM  [RESC1005X40N]  92.02 55.44 180 bottom
R223  R0402_2K2_1%_0.0625W_100PPM  [RESC1005X40N]  53.21 78.4 270 bottom
R224  R0402_0R_JUMPER  [RESC1005X40N]  47.79 77.74 270 bottom
R225  R0402_0R_JUMPER  [RESC1005X40N]  48.78 77.73 270 bottom
R227  R0402_0R_JUMPER  [RESC1005X40N]  47.2 63.64 90 bottom
R228  R0402_0R_JUMPER  [RESC1005X40N]  45.54 54.27 0 bottom
R229  R0402_0R_JUMPER  [RESC1005X40N]  49.78 59.15 270 bottom
R230  R0402_0R_JUMPER  [RESC1005X40N]  40.97 106.73 0 bottom
R231  R0402_0R_JUMPER  [RESC1005X40N]  40.97 108.26 0 bottom
R232  R0402_0R_JUMPER  [RESC1005X40N]  40.93 110.59 0 bottom
R233  R0402_0R_JUMPER  [RESC1005X40N]  40.93 112.14 0 bottom
R234  R0402_10K_1%_0.0625W_100PPM  [RESC1005X40N]  41.5 58.79 270 bottom
R235  R0402_10K_1%_0.0625W_100PPM  [RESC1005X40N]  78.71 14.42 270 top
R236  R0402_10K_1%_0.0625W_100PPM  [RESC1005X40N]  75.98 76.43 180 top
R237  R0402_0R_JUMPER  [RESC1005X40N]  39.16 63.21 90 bottom
R238  R0402_0R_JUMPER  [RESC1005X40N]  39.89 65.31 270 bottom
R239  R0402_0R_JUMPER  [RESC1005X40N]  36.5 54.07 180 bottom
R240  R0402_0R_JUMPER  [RESC1005X40N]  36.5 53.03 180 bottom
R241  R0402_0R_JUMPER  [RESC1005X40N]  38.38 54.07 180 bottom
R242  R0402_0R_JUMPER  [RESC1005X40N]  38.38 53.03 180 bottom
R243  R1206_1M_1%_0.25W_100PPM  [RESC3216X65N]  74.43 4.92 90 bottom
R244  R1206_1M_1%_0.25W_100PPM  [RESC3216X65N]  70.36 4.77 270 bottom
R245  R0402_1K_1%_0.0625W_100PPM  [RESC1005X40N]  114.47 28.18 180 top
R246  R0402_10K_1%_0.0625W_100PPM  [RESC1005X40N]  45.45 50.87 270 bottom
R247  R0402_10K_1%_0.0625W_100PPM  [RESC1005X40N]  83.44 10.05 90 bottom
R248  R0402_1K_1%_0.0625W_100PPM  [RESC1005X40N]  77.37 10.35 90 bottom
R249  R0402_10K_1%_0.0625W_100PPM  [RESC1005X40N]  78.58 10.35 90 bottom
R250  R0402_10K_1%_0.0625W_100PPM  [RESC1005X40N]  79.63 10.07 270 bottom
R251  R0402_1K_1%_0.0625W_100PPM  [RESC1005X40N]  82.22 11.78 180 bottom
R252  R0402_10K_1%_0.0625W_100PPM  [RESC1005X40N]  85.21 10.3 90 bottom
R253  R0402_10K_1%_0.0625W_100PPM  [RESC1005X40N]  95.55 10.18 270 bottom
R254  R0402_10K_1%_0.0625W_100PPM  [RESC1005X40N]  90.66 10.16 90 bottom
R255  R0402_10K_1%_0.0625W_100PPM  [RESC1005X40N]  91.77 10.15 90 bottom
R256  R0402_10K_1%_0.0625W_100PPM  [RESC1005X40N]  96.57 10.18 90 bottom
R257  R0402_10K_1%_0.0625W_100PPM  [RESC1005X40N]  97.84 10.23 90 bottom
R258  R0402_10K_1%_0.0625W_100PPM  [RESC1005X40N]  57.48 96.13 0 bottom
R259  R0402_1K_1%_0.0625W_100PPM  [RESC1005X40N]  57.49 95.13 180 bottom
R260  R0402_10K_1%_0.0625W_100PPM  [RESC1005X40N]  63.88 23.1 270 bottom
R261  R0402_1K_1%_0.0625W_100PPM  [RESC1005X40N]  63.8 24.76 180 bottom
R262  R0402_10K_1%_0.0625W_100PPM  [RESC1005X40N]  165.24 108.17 90 bottom
R263  R0402_10K_1%_0.0625W_100PPM  [RESC1005X40N]  25.12 58.74 0 bottom
R264  R0402_1K_1%_0.0625W_100PPM  [RESC1005X40N]  2.54 114.01 180 bottom
R265  R0402_1K_1%_0.0625W_100PPM  [RESC1005X40N]  2.51 119.22 180 bottom
R266  R0402_1K_1%_0.0625W_100PPM  [RESC1005X40N]  16.58 138.73 180 bottom
R267  R0402_1K_1%_0.0625W_100PPM  [RESC1005X40N]  4.75 6.57 270 bottom
R268  R0402_1K_1%_0.0625W_100PPM  [RESC1005X40N]  12.65 6.24 270 bottom
R269  R0402_82K_1%_0.0625W_100PPM  [RESC1005X40N]  23.64 70.25 0 bottom
R270  R0402_10K_1%_0.0625W_100PPM  [RESC1005X40N]  17.73 69.48 180 bottom
R271  R0402_10K_1%_0.0625W_100PPM  [RESC1005X40N]  21.23 70.25 180 bottom
R272  R0402_10K_1%_0.0625W_100PPM  [RESC1005X40N]  17.83 75.45 180 bottom
R273  R0402_47K_1%_0.0625W_100PPM  [RESC1005X40N]  38.5 89.98 270 bottom
R274  R0402_0R_JUMPER  [RESC1005X40N]  50.47 129.84 180 bottom
